# KiCad board sensor.kicad_pcb
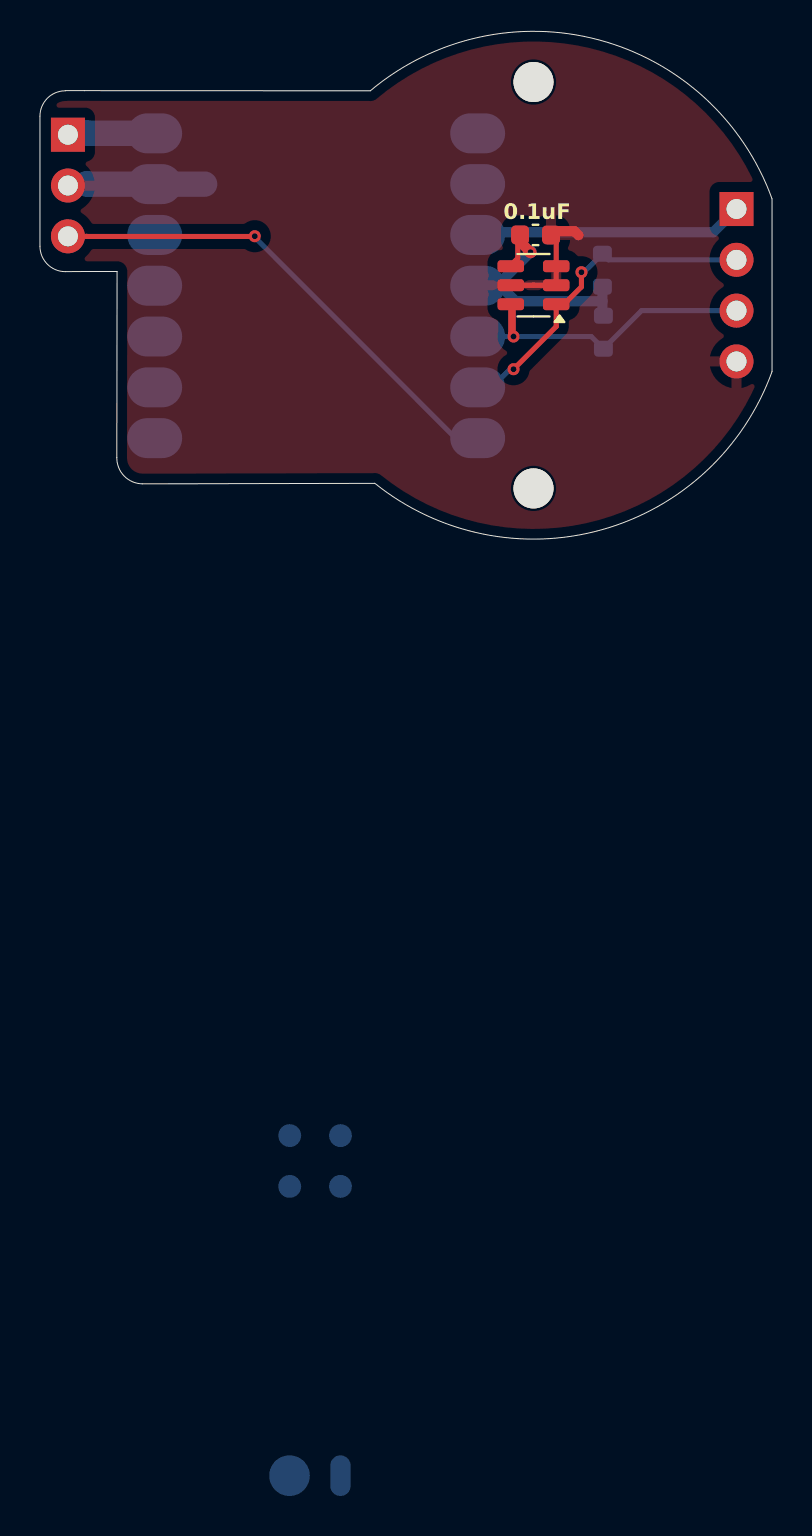
[diagram p0: board, top side]
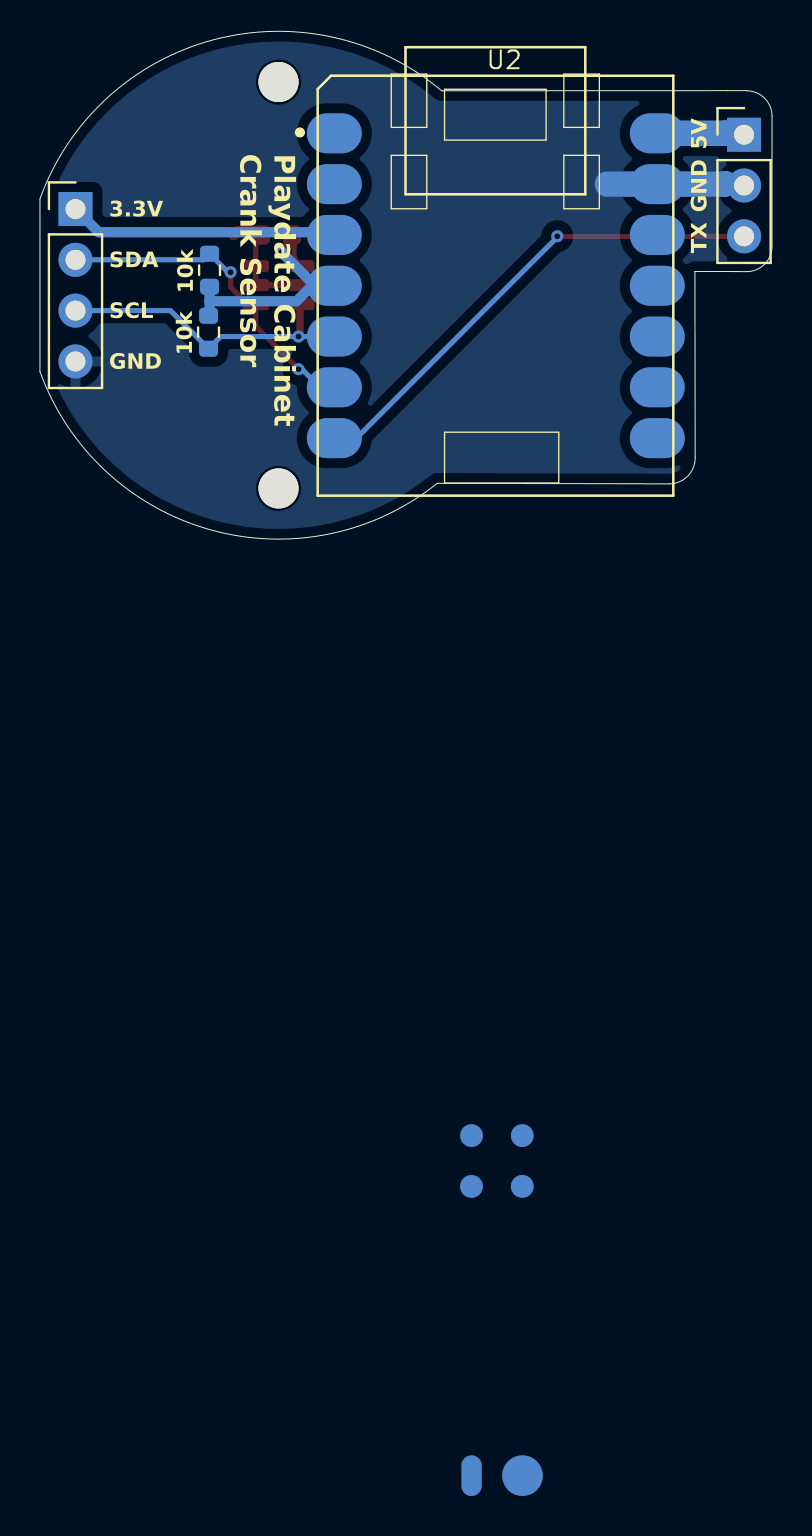
[diagram p1: board, bottom side, seen from below]

Outline 36.64 x 25.39 mm; copper layers: Top, Bottom. Coordinates in mm from the lower left corner of the outline.
Outline path: 1.27,22.42 arc(0.37,22.04) 0,21.15 0,14.64 arc(0.37,13.75) 1.27,13.37 2.23,13.38 3.86,13.38 3.85,4.08 arc(4.22,3.15) 5.14,2.76 16.75,2.79 ; 1.27,22.42 16.53,22.42 ; 16.53,22.41 arc(27.99,24.96) 36.64,17.01 36.64,8.38 arc(28.13,0.47) 16.75,2.79
Stack: Top 0.035mm / dielectric 1.51mm FR4 er 4.5 / Bottom 0.035mm

## Placement (name value [footprint] x y rotation side)
C1  0.1uF  [C_0603_1608Metric]  24.8 15.21 0 top
H1  MountingHole  [MountingHole_2mm]  24.7 22.85 0 top
H2  MountingHole  [MountingHole_2mm]  24.7 2.53 0 top
J1  Conn_01x03_Socket  [PinHeader_1x03_P2.54mm_Vertical]  1.4 20.22 180 bottom
J2  Conn_01x04_Pin  [PinHeader_1x04_P2.54mm_Vertical]  34.86 16.5 180 bottom
R1  10k  [R_0603_1608Metric]  28.15 13.44 90 bottom
R2  10k  [R_0603_1608Metric]  28.2 10.34 270 bottom
U1  TLV493D  [SOT-23-6]  24.7 12.69 180 top
U2  SeeeduinoXIAO  [Seeeduino XIAO-MOUDLE14P-2.54-21X17.8MM]  22.74 2.17 180 bottom

## Library data of the parts
C1 = -: Description: Unpolarized capacitor; ki_fp_filters: C_*
H1 H2 = -: Description: Mounting Hole without connection; ki_fp_filters: MountingHole*
J1 = -: Description: Generic connector, single row, 01x03, script generated; ki_fp_filters: Connector*:*_1x??_*
J2 = -: Description: Generic connector, single row, 01x04, script generated; ki_fp_filters: Connector*:*_1x??_*
R1 R2 = -: Description: Resistor, US symbol; ki_fp_filters: R_*
U1 = -: Datasheet: http://www.infineon.com/dgdl/Infineon-TLV493D-A1B6-DS-v01_00-EN.pdf?fileId=5546d462525dbac40152a6b85c760e80; Description: Low power 3D magnetic sensor, I2C interface, SOT-23-6; ki_fp_filters: SOT?23*

## Footprints (pads in the part's own frame, mm; a bottom-side part is the same pattern mirrored in y, then rotated)
C_0603_1608Metric
  rrect 0.9x0.95 smd: 1(-0.775,0) 2(0.775,0)
MountingHole_2mm
  round 2 hole 2 unplated: (0,0)
PinHeader_1x03_P2.54mm_Vertical
  rect 1.7x1.7 hole 1: 1(0,0)
  oval 1.7x1.7 hole 1: 2(0,-2.54) 3(0,-5.08)
PinHeader_1x04_P2.54mm_Vertical
  rect 1.7x1.7 hole 1: 1(0,0)
  oval 1.7x1.7 hole 1: 2(0,-2.54) 3(0,-5.08) 4(0,-7.62)
R_0603_1608Metric
  rrect 0.8x0.95 smd: 1(-0.825,0) 2(0.825,0)
Seeeduino XIAO-MOUDLE14P-2.54-21X17.8MM
  oval 2.748x1.999 smd: 1(0.833,18.118) 2(0.833,15.578) 3(0.833,13.038) 4(0.833,10.498) 5(0.833,7.958) 6(0.833,5.418) 7(0.833,2.878) 8(16.998,2.878) 9(16.998,5.418) 10(16.998,7.958) 11(16.998,10.498) 12(16.998,13.038) 13(16.998,15.578) 14(16.998,18.118)
  oval 1.016x2.032 smd: 15(7.7,-49)
  round 2.032 smd: 16(10.25,-49)
  round 1.143 smd: 17(7.699,-31.996) 18(10.239,-31.996) 19(7.699,-34.536) 20(10.239,-34.536)
SOT-23-6
  rrect 1.325x0.6 smd: 1(-1.137,0.95) 2(-1.137,0) 3(-1.137,-0.95) 4(1.137,-0.95) 5(1.137,0) 6(1.137,0.95)

## Nets
/5V: J1.1 U2.14
/GND: C1.2 J1.2 J2.4 U1.2 U1.3 U1.5 U2.13
/CRANK1_PWR: C1.1 R1.1 R2.1 U1.4 U2.4
/CRANK2_PWR: J2.1 U2.3
/SCL: J2.2 R1.2 U1.1 U2.6
/SDA: J2.3 R2.2 U1.6 U2.5
/UART: J1.3 U2.7

Pads without a net: U2 1 2 8 9 10 11 12 15 16 17 18 19 20

## Via types
v1: diameter 0.6, hole 0.3, Top to Bottom, 5 vias

## Routing (per net, layer and track width the routed paths; a pad name or vN(x,y) marks a point on that pad's centre or on a via; arc(x,y) is an arc through that point)
/5V: length 3.4
  Bottom w1.27: 2.35,20.31 2.37,20.29 U2.14
/GND: length 17.4
  Top w0.2: 25.87,12.72 25.84,12.75 U1.3 25.84,14.86 25.46,15.23
  Top w0.254: C1.2 25.84,14.95 U1.3 U1.2 U1.5 25.97,12.69
  Top w0.508: 26.95,15.19 26.75,15.39 25.76,15.39 C1.2
  Bottom w1.27: 2.35,17.77 2.37,17.75 U2.13 8.24,17.75
/CRANK1_PWR: length 14.3
  Top w0.2: 23.86,15.26 23.86,15.29
  Top w0.254: 23.56,13.58 23.68,13.71 ; 23.56,13.69 23.91,14.04 23.91,15.23
  Top w0.508: C1.1 24.03,14.87 v1(24.55,14.34)
  Bottom w0.508: v1(24.55,14.34) 24.6,14.39 ; 28.15,11.89 23.8,11.89 23.03,12.67 U2.4 22.87,12.67 24.45,14.24 ; 28.15,11.89 28.15,11.22 R2.1 ; 28.15,11.89 R1.1
/CRANK2_PWR: length 13.5
  Bottom w0.508: J2.1 33.7,15.34 22.04,15.34 U2.3
/SCL: length 17
  Top w0.254: v1(23.7,8.49) 25.84,10.63 U1.1 ; U1.1 25.85,11.73 ; U1.1 26.23,11.74 27.1,12.61 v1(27.1,13.34)
  Bottom w0.254: v1(27.1,13.34) 27.23,13.34 R1.2 28.46,13.96 J2.2 ; 34.82,13.95 34.83,13.96 ; v1(23.7,8.49) 23.52,8.49 22.62,7.59 U2.6
/SDA: length 17.9
  Top w0.2: U1.6 23.95,11.74
  Top w0.254: 23.24,11.87 23.43,11.68 ; U1.6 23.56,10.27 v1(23.7,10.13) 23.68,10.15 23.68,11.68
  Bottom w0.254: J2.3 30.11,11.42 R2.2 27.59,10.13 v1(23.7,10.13) U2.5
/UART: length 23.8
  Top w0.254: v1(10.75,15.14) 10.74,15.13 2.32,15.13 2.32,15.14
  Bottom w0.254: v1(10.75,15.14) 10.75,15.09 20.8,5.05 U2.7

## Copper pours and planes (outline as drawn; the poured copper is in the pictures)
/GND on Top: 36.7,25.49 -0.3,25.49 -0.3,-0.51 36.7,-0.51
/GND on Bottom: 36.7,25.49 -0.3,25.49 -0.3,-0.51 36.7,-0.51

## Text on the board
B.Silkscreen: 3.3V | SDA | SCL | GND | 5V | TX | Playdate Cabinet / Crank Sensor
